# Altium PCB MS1_PCB.PcbDoc (part 1 of 2) (continued)
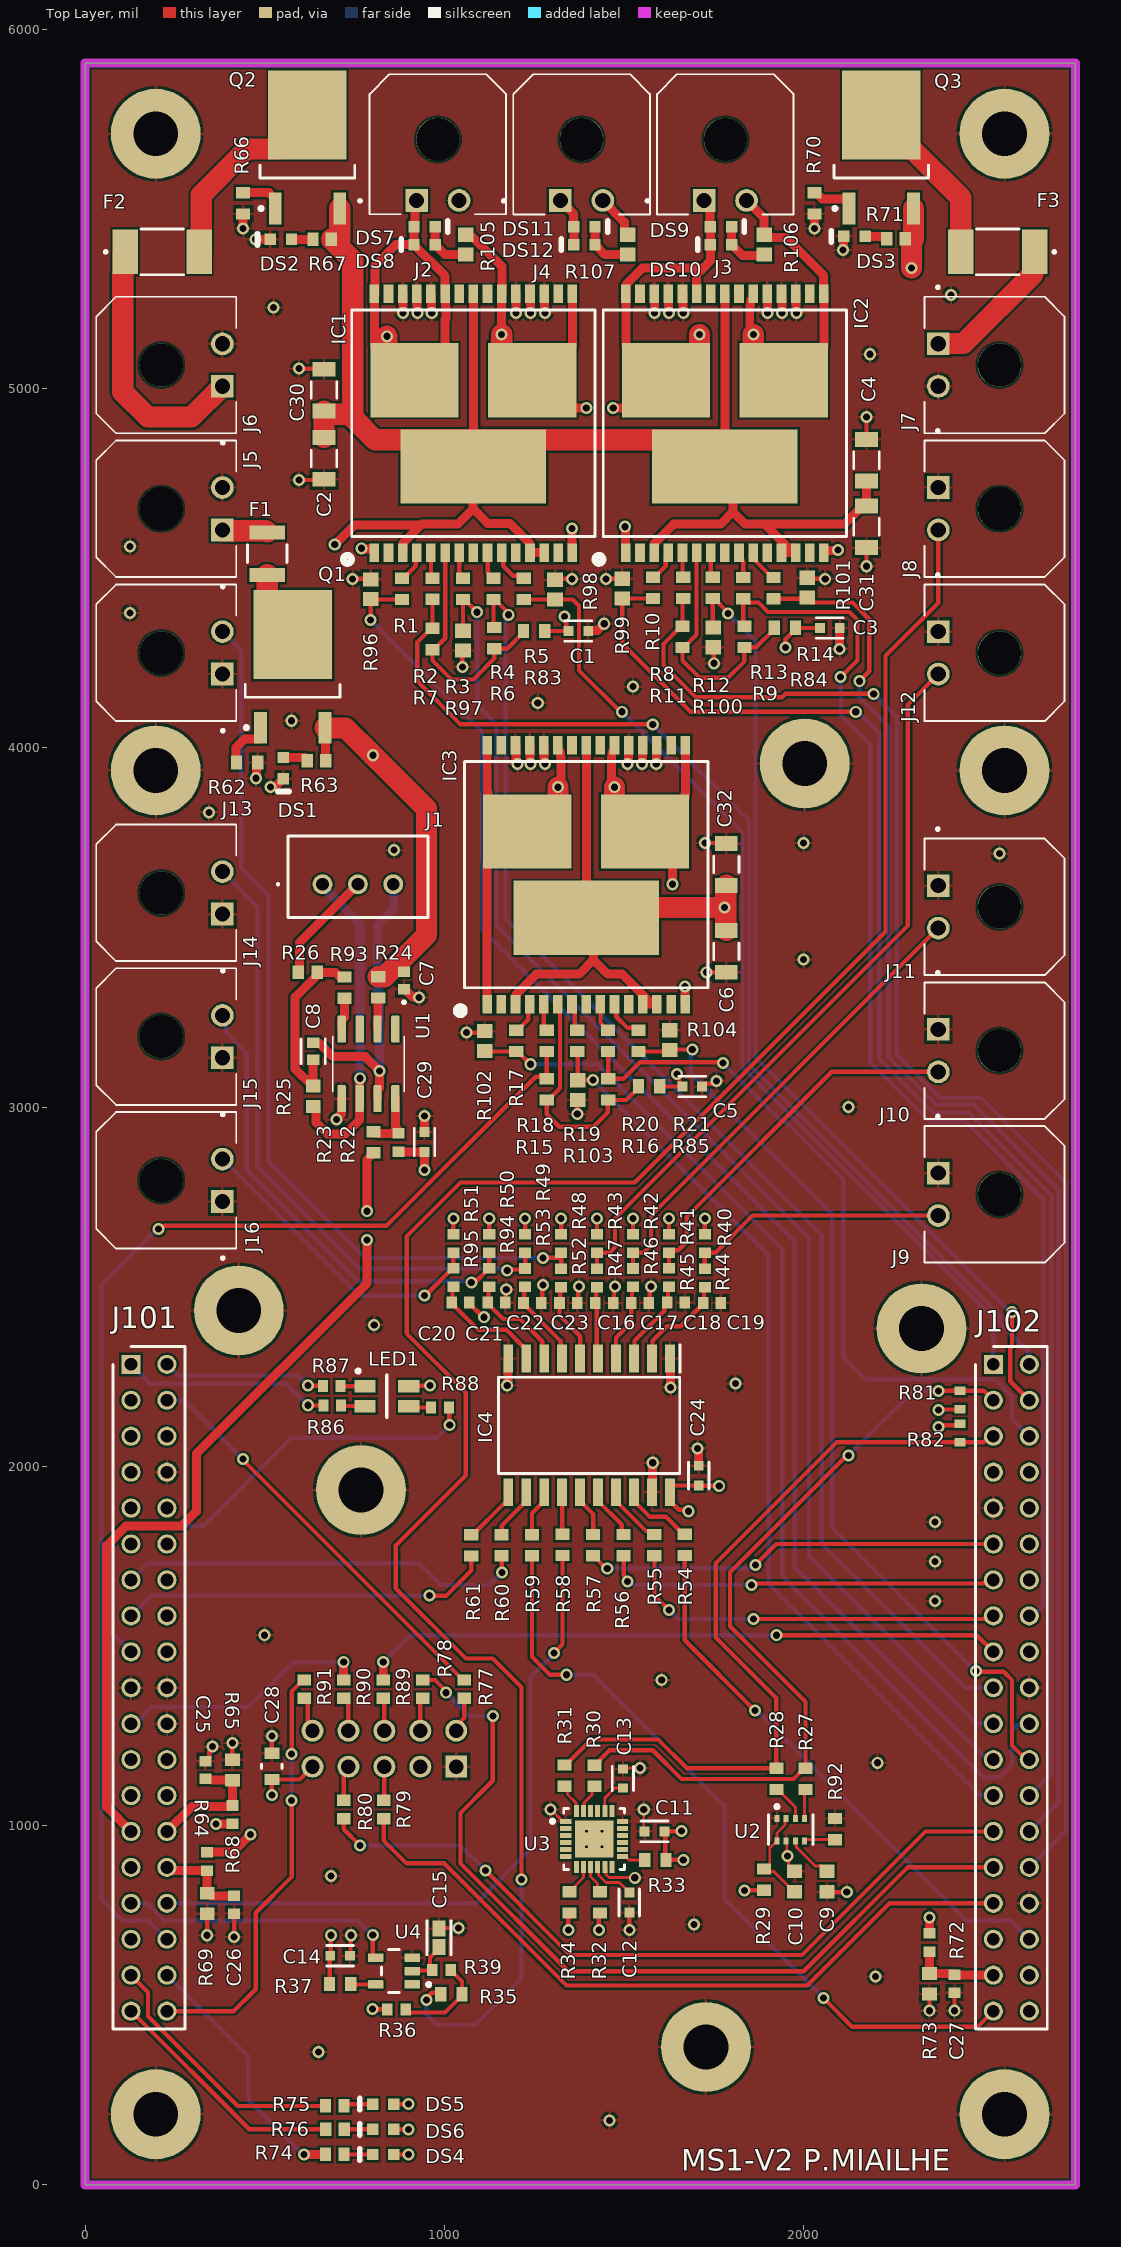
[diagram p0: Top Layer view]
## Components (designator, comment, footprint, x,y, rotation, side; value= is the part's Value field where it differs from the comment) (continued)
R21 "0R" RESC1608X55X25ML10T15 1540,3184 r90 top
R22 "ERJ3EKF1002V" RESC1609X55X30LL15T15 872,2901 r270 top
R23 "0R" RESC1608X55X25ML10T15 803,2902 r90 top
R24 "0R" RESC1608X55X25ML10T15 816,3333 r90 top
R25 "ERJ-3GEYJ155V" RESC1608X55X30ML15T15 635,3030 r270 top
R26 "ERJ-3EKF1503V" RESC1608X55X30NL15T15 620,3375 r180 top
R27 "0R" RESC1608X55X25ML10T15 2005,1130 r270 top
R28 "0R" RESC1608X55X25ML10T15 1924,1130 r270 top
R29 "0R" RESC1608X55X25ML10T15 1890,850 r270 top
R30 "0R" RESC1608X55X25ML10T15 1418,1139 r270 top
R31 "0R" RESC1608X55X25ML10T15 1334,1139.53 r270 top
R32 "0R" RESC1608X55X25ML10T15 1433,786.47 r90 top
R33 "0R" RESC1608X55X25ML10T15 1587.53,904 r180 top
R34 "0R" RESC1608X55X25ML10T15 1348,786.47 r270 top
R35 "0R" RESC1608X55X25ML10T15 1019.47,531 r0 top
R36 "ERJ3EKF1002V" RESC1609X55X30LL15T15 867,489 r180 top
R37 "0R" RESC1608X55X25ML10T15 710,559 r0 top
R39 "ERJ3EKF1002V" RESC1609X55X30LL15T15 992,598 r0 top
R40 "ERJ3EKF1002V" RESC1609X55X30LL15T15 1725,2620 r90 top
R41 "ERJ3EKF1002V" RESC1609X55X30LL15T15 1625,2620 r90 top
R42 "ERJ3EKF1002V" RESC1609X55X30LL15T15 1525,2620 r90 top
R43 "ERJ3EKF1002V" RESC1609X55X30LL15T15 1425,2620 r90 top
R44 "ERJ3EKF1002V" RESC1609X55X30LL15T15 1725,2523.82 r90 top
R45 "ERJ3EKF1002V" RESC1609X55X30LL15T15 1625,2525.59 r90 top
R46 "ERJ3EKF1002V" RESC1609X55X30LL15T15 1524.61,2525 r90 top
R47 "ERJ3EKF1002V" RESC1609X55X30LL15T15 1425,2524.41 r90 top
R48 "ERJ3EKF1002V" RESC1609X55X30LL15T15 1325,2620 r90 top
R49 "ERJ3EKF1002V" RESC1609X55X30LL15T15 1225,2620 r90 top
R50 "ERJ3EKF1002V" RESC1609X55X30LL15T15 1125,2620 r90 top
R51 "ERJ3EKF1002V" RESC1609X55X30LL15T15 1025,2620 r90 top
R52 "ERJ3EKF1002V" RESC1609X55X30LL15T15 1325,2524.41 r90 top
R53 "ERJ3EKF1002V" RESC1609X55X30LL15T15 1225,2525 r90 top
R54 "0R" RESC1608X55X25ML10T15 1669,1781.47 r270 top
R55 "0R" RESC1608X55X25ML10T15 1584,1781 r270 top
R56 "0R" RESC1608X55X25ML10T15 1499,1781 r270 top
R57 "0R" RESC1608X55X25ML10T15 1414,1781 r270 top
R58 "0R" RESC1608X55X25ML10T15 1329,1781.47 r270 top
R59 "0R" RESC1608X55X25ML10T15 1244,1780.53 r270 top
R60 "0R" RESC1608X55X25ML10T15 1159,1780.53 r270 top
R61 "0R" RESC1608X55X25ML10T15 1075,1780 r270 top
R62 "RC0603JR-070RL" RESC1608X55X25ML10T15 451,3959 r180 top
R63 "260R" RESC1609X50X30NL8T20 644,3964 r180 top
R64 "ERJ3EKF1002V" RESC1609X55X30LL15T15 410,1030.59 r270 top
R65 "ERJ-3EKF2001V" RESC1608X55X30ML15T15 410,1155 r270 top
R66 "RC0603JR-070RL" RESC1608X55X25ML10T15 440,5515 r90 top locked
R67 "260R" RESC1609X50X30NL8T20 660,5415 r180 top locked
R68 "ERJ3EKF1002V" RESC1609X55X30LL15T15 340,900.59 r90 top
R69 "ERJ-3EKF2001V" RESC1608X55X30ML15T15 340,783.54 r90 top
R70 "RC0603JR-070RL" RESC1608X55X25ML10T15 2030,5515 r90 top locked
R71 "260R" RESC1609X50X30NL8T20 2257,5416 r180 top
R72 "ERJ3EKF1002V" RESC1609X55X30LL15T15 2350,675 r90 top
R73 "ERJ-3EKF2001V" RESC1608X55X30ML15T15 2350,560 r90 top
R74 "260R" RESC1609X50X30NL8T20 695,85 r180 top
R75 "260R" RESC1609X50X30NL8T20 695,220 r180 top
R76 "260R" RESC1609X50X30NL8T20 695.59,155 r180 top
R77 "CRCW06030000Z0EA" RESC1609X50X30NL8T20 1055,1380 r270 top locked
R78 "CRCW06030000Z0EA" RESC1609X50X30NL8T20 940,1380 r270 top locked
R79 "CRCW06030000Z0EA" RESC1609X50X30NL8T20 831,1045 r270 top locked
R80 "CRCW06030000Z0EA" RESC1609X50X30NL8T20 720,1045 r270 top
R81 "RC0603FR-074K7L" RESC1608X55X25LL10T15 2435,2185 r270 top
R82 "RC0603FR-074K7L" RESC1608X55X25LL10T15 2435,2093 r90 top locked
R83 "0R" RESC1608X55X25ML10T15 1250,4325 r180 top
R84 "0R" RESC1608X55X25ML10T15 1948,4334 r180 top
R85 "0R" RESC1608X55X25ML10T15 1570,3058 r180 top locked
R86 "ERJ-3EKF1000V" RESC1608X55X30LL15T15 688,2169 r0 top
R87 "ERJ-3EKF1000V" RESC1608X55X30LL15T15 686.61,2223 r0 top
R88 "ERJ-3EKF1000V" RESC1608X55X30LL15T15 988,2164 r180 top
R89 "CRCW06030000Z0EA" RESC1609X50X30NL8T20 830,1380 r270 top locked
R90 "CRCW06030000Z0EA" RESC1609X50X30NL8T20 720,1380 r270 top locked
R91 "CRCW06030000Z0EA" RESC1609X50X30NL8T20 610,1380 r270 top locked
R92 "0R" RESC1608X55X25ML10T15 2087,990.53 r270 top
R93 "0R" RESC1608X55X25ML10T15 722,3332.53 r90 top
R94 "ERJ3EKF1002V" RESC1609X55X30LL15T15 1125,2525.59 r90 top
R95 "ERJ3EKF1002V" RESC1609X55X30LL15T15 1025,2525.59 r90 top
R96 "ERA3AEB104V" RESC1608X55X30ML20T20 795,4441 r270 top
R97 "ERA3AEB104V" RESC1608X55X30ML20T20 1052,4298 r90 top
R98 "ERA3AEB104V" RESC1608X55X30ML20T20 1308,4440 r270 top
R99 "ERA3AEB104V" RESC1608X55X30ML20T20 1495,4442.56 r270 top
R100 "ERA3AEB104V" RESC1608X55X30ML20T20 1748,4307 r90 top
R101 "ERA3AEB104V" RESC1608X55X30ML20T20 2010,4445.44 r270 top
R102 "ERA3AEB104V" RESC1608X55X30ML20T20 1112,3183.56 r270 top
R103 "ERA3AEB104V" RESC1608X55X30ML20T20 1371,3047 r90 top
R104 "ERA3AEB104V" RESC1608X55X30ML20T20 1627,3186 r270 top
R105 "ERA-3AEB751V" RESC1608X55X30ML20T20 1060,5400 r270 top locked
R106 "ERA-3AEB751V" RESC1608X55X30ML20T20 1890,5400 r270 top
R107 "ERA-3AEB751V" RESC1608X55X30ML20T20 1510,5400 r270 top
U1 "RE46C100S8F" SOIC127P600X175-8N 789,3120 r270 top locked
U2 "BMP280" FP-BMP280-MFG 1964,989 r90 top
U3 "MPU-6050" IS-QFN-24_V 1417,963 r0 top
U4 "SN74LVC1G17DBVT" FP-DBV0005A-MFG 859.82,595.4 r180 top

## Footprints (in the part's own frame and the unit in brackets; to place one, negate y for a bottom-side part, rotate by r counter-clockwise, add the part's x,y. Pads: shape width x height; smd on the part's side, far side on the other; paste and mask are expansions set on the pad)
1812L010DR [mm]
  rect 1.78x3.15 smd: 1(-2.615,0) 2(2.615,0)
  silkscreen extent -4.1,-1.62 1.5,1.62, body extent -2.27,-1.63 2.27,1.63, height 1.95
3528_A [mm] "Chip LED, 4-Leads, Body 2.8x3.5mm (max), Pitch 1.42mm, IPC Medium Density"
  rect 1.5x0.9 smd: 1(1.55,0.707) 2(1.55,-0.71) 3(-1.55,0.707) 4(-1.55,-0.707)
  silkscreen extent -2.15,-1.5 0.03,1.9, body extent -1.75,-1.4 1.75,1.4, height 1.87
AVAG-HSMX-C190_V [mm] "SMD, 2-Leads, Body 1.6x0.8mm, Height 0.9mm"
  rect 0.8x0.8 smd: 1(-0.75,0) 2(0.75,0)
  silkscreen extent 1.65,-0.4 1.65,0.4, body extent -0.8,-0.4 0.8,0.4, height 0.9
B3BXHALFSN [mm]
  round 1.4 hole 0.9: 1(0,0) 2(2.5,0) 3(5,0)
  silkscreen extent -3.2,-2.35 7.45,3.4, body extent -2.45,-2.35 7.45,3.4, height 7.09
CAPC1608X90X35LL10T15 [mm] "Chip Capacitor, 2-Leads, Body 1.60x0.80mm, IPC High Density"
  rect 0.75x0.85 smd: 1(-0.625,0) 2(0.625,0)
  body extent -0.85,-0.45 0.85,0.45, height 0.9
FP-1210L110-16WR-MFG [mm]
  rect 1x2.5 smd paste+0 mask+0: 1(-1.5,0) 2(1.5,0)
  silkscreen extent -0.63,-1.4 0.63,1.4, body extent -2.1,-1.5 2.1,1.5, height 0.25
FP-BMP280-MFG [mm]
  rect 0.5x0.35 smd paste+0 mask+0: 1(0.8,0.975) 2(0.8,0.325) 3(0.8,-0.325) 4(0.8,-0.975) 5(-0.8,-0.975) 6(-0.8,-0.325) 7(-0.8,0.325) 8(-0.8,0.975)
  silkscreen extent -1.05,-1.58 1.75,1.58, body extent -1.55,-1.8 1.55,1.8, height 0.25
FP-C0603C-CF-MFG [mm]
  rect 0.75x0.9 smd paste+0 mask+0: 1(-0.6,0) 2(0.6,0)
  silkscreen extent -0.87,-0.85 0.88,0.85, body extent -1.2,-0.6 1.2,0.6, height 0.25
FP-C1608-080-0_1-IPC_B [mil]
  rect 44.53x35.91 smd paste+0 mask+0: 1(-25.22,0) 2(25.22,0)
  silkscreen extent -47,-34 47,34, body extent -57,-28 57,28, height 10
FP-C2012-125-0_2-MFG [mm]
  rect 0.8x1.05 smd paste+0 mask+0: 1(-0.925,0) 2(0.925,0)
  silkscreen extent -0.15,-0.72 0.15,0.72, body extent -1.43,-0.82 1.43,0.82, height 0.25
FP-CGA3E-0_3-0_1-MFG [mm]
  rect 0.7x0.7 smd paste+0 mask+0: 1(-0.7,0) 2(0.7,0)
  silkscreen extent -0.95,-0.72 0.95,0.72, body extent -1.15,-0.65 1.15,0.65, height 0.25
FP-DBV0005A-MFG [mm]
  rrect17% 1.1x0.6 smd paste+0 mask+0: 1(-1.3,0.95) 2(-1.3,0) 3(-1.3,-0.95) 4(1.3,-0.95) 5(1.3,0.95)
  silkscreen extent -2.58,-1.53 0.87,1.53, body extent -1.95,-1.78 1.95,1.78, height 0.25
FP-GRM31C-0_2-e0_3_0_8-MFG [mm]
  rect 1.05x1.6 smd paste+0 mask+0: 1(-1.475,0) 2(1.475,0)
  silkscreen extent -0.58,-0.9 0.58,0.9, body extent -2.1,-1 2.1,1, height 0.25
FP-GRM188-0_1-e0_2_0_5-MFG [mm]
  rect 0.65x0.7 smd paste+0 mask+0: 1(-0.675,0) 2(0.675,0)
  silkscreen extent -0.85,-0.75 0.85,0.75, body extent -1.1,-0.55 1.1,0.55, height 0.25
INF-PG-TO252-3-313_L [mm] "DPAK, 3-Leads, Body 6.5x6.12mm, Pitch 2.28mm, IPC High Density"
  rect 2.25x0.9 smd: 1(-4.3,2.28) 3(-4.3,-2.28)
  rect 6.3x5.55 smd: 2(2.3,0)
  silkscreen extent -4.42,-3.35 -1.25,3.4, body extent -2.15,-3.32 4.07,3.32, height 2.35
IS-QFN-24_V [mm] "QFN, 24-Leads, Body 4x4mm, Pitch 0.5mm, Thermal Pad 2.7x2.6mm"
  rect 0.8x0.35 smd: 1(-2,1.25) 2(-2,0.75) 3(-2,0.25) 4(-2,-0.25) 5(-2,-0.75) 6(-2,-1.25) 13(2,-1.25) 14(2,-0.75) 15(2,-0.25) 16(2,0.25) 17(2,0.75) 18(2,1.25)
  rect 0.35x0.85 smd mask+0.102: 7(-1.25,-1.975) 8(-0.75,-1.975) 9(-0.25,-1.975) 10(0.25,-1.975) 11(0.75,-1.975) 12(1.25,-1.975) 19(1.25,1.975) 20(0.75,1.975) 21(0.25,1.975) 22(-0.25,1.975) 23(-0.75,1.975) 24(-1.25,1.975)
  rect 2.7x2.6 smd: 25(0,0)
  silkscreen extent -3.07,-2.15 2.15,2.15, body extent -2,-2 2,2, height 0.95
MOLEX_436500200 [mm]
  rect 1.605x1.605 hole 1.07: 1(1.5,3.97)
  round 1.605 hole 1.07: 2(-1.5,3.97)
  round 3.05 hole 3.05 unplated: ""(0,-0.35)
  silkscreen extent -4.82,-4.95 5.6,4.95, body extent -4.82,-5.3 4.82,4.6, height 5.08
RESC1608X55X25LL10T15 [mm] "Chip Resistor, 2-Leads, Body 1.60x0.80mm, IPC High Density"
  rect 0.6x0.8 smd: 1(-0.65,0) 2(0.65,0)
  body extent -0.85,-0.45 0.85,0.45, height 0.55
RESC1608X55X25ML10T15 [mm] "Chip Resistor, 2-Leads, Body 1.60x0.80mm, IPC Low Density"
  rect 0.8x1 smd: 1(-0.75,0) 2(0.75,0)
  body extent -0.85,-0.45 0.85,0.45, height 0.55
RESC1608X55X30LL15T15 [mm] "Chip Resistor, 2-Leads, Body 1.60x0.80mm, IPC High Density"
  rect 0.7x0.85 smd: 1(-0.625,0) 2(0.625,0)
  body extent -0.87,-0.48 0.87,0.48, height 0.55
RESC1608X55X30ML15T15 [mm] "Chip Resistor, 2-Leads, Body 1.60x0.80mm, IPC Low Density"
  rect 0.9x1.05 smd: 1(-0.725,0) 2(0.725,0)
  body extent -0.87,-0.48 0.87,0.48, height 0.55
RESC1608X55X30ML20T20 [mm] "Chip Resistor, 2-Leads, Body 1.60x0.80mm, IPC Low Density"
  rect 1x1.1 smd: 1(-0.7,0) 2(0.7,0)
  body extent -0.9,-0.5 0.9,0.5, height 0.55
RESC1608X55X30NL15T15 [mm] "Chip Resistor, 2-Leads, Body 1.60x0.80mm, IPC Medium Density"
  rect 0.8x0.95 smd: 1(-0.675,0) 2(0.675,0)
  body extent -0.87,-0.48 0.87,0.48, height 0.55
RESC1609X50X30NL8T20 [mm] "Chip Resistor, 2-Leads, Body 1.65x0.95mm, IPC Medium Density"
  rect 0.8x0.95 smd: 1(-0.65,0) 2(0.65,0)
  body extent -0.82,-0.48 0.82,0.48, height 0.5
RESC1609X55X30LL15T15 [mm] "Chip Resistor, 2-Leads, Body 1.75x0.95mm, IPC High Density"
  rect 0.75x0.85 smd: 1(-0.65,0) 2(0.65,0)
  body extent -0.87,-0.48 0.87,0.48, height 0.55
RHDR38W51P254_2X19_4826X508X737P [mm]
  rect 1.35x1.35 hole 0.9: 1(0,0)
  round 1.35 hole 0.9: 2(0,-2.54) 3(-2.54,0) 4(-2.54,-2.54) 5(-5.08,0) 6(-5.08,-2.54) 7(-7.62,0) 8(-7.62,-2.54) 9(-10.16,0) 10(-10.16,-2.54) 11(-12.7,0) 12(-12.7,-2.54) 13(-15.24,0) 14(-15.24,-2.54) 15(-17.78,0) 16(-17.78,-2.54) 17(-20.32,0) 18(-20.32,-2.54) 19(-22.86,0) 20(-22.86,-2.54) 21(-25.4,0) 22(-25.4,-2.54) 23(-27.94,0) 24(-27.94,-2.54) 25(-30.48,0) 26(-30.48,-2.54) 27(-33.02,0) 28(-33.02,-2.54) 29(-35.56,0) 30(-35.56,-2.54) 31(-38.1,0) 32(-38.1,-2.54) 33(-40.64,0) 34(-40.64,-2.54) 35(-43.18,0) 36(-43.18,-2.54) 37(-45.72,0) 38(-45.72,-2.54)
  silkscreen extent -46.99,-3.81 1.27,1.27, body extent -47.26,-4.08 1.55,1.55, height 1.27
SAMS-C0603-2_M [mm] "Chip Capacitor, 2-Leads, Body 1.70x0.90mm, IPC Low Density"
  rect 0.95x1.05 smd: 1(-0.725,0) 2(0.725,0)
  body extent -0.85,-0.45 0.85,0.45, height 0.9
SMTC-TSW-105-15-X-D [mm] ".025 SQ Post Terminal Strip Assembly, 2x5 Pins, Vertical, 2.54mm Pitch, Male"
  rect 1.55x1.55 hole 1.02: 1(0,0)
  round 1.55 hole 1.02: 2(0,2.54) 3(2.54,0) 4(2.54,2.54) 5(5.08,0) 6(5.08,2.54) 7(7.62,0) 8(7.62,2.54) 9(10.16,0) 10(10.16,2.54)
  silkscreen extent -1.46,-1.27 11.62,3.81, body extent -1.71,-1.52 11.87,4.06, height 15.95
SOIC127P600X175-8N [mm]
  rrect25% 1.9x0.6 smd: 1(-2.455,1.905) 2(-2.455,0.635) 3(-2.455,-0.635) 4(-2.455,-1.905) 5(2.455,-1.905) 6(2.455,-0.635) 7(2.455,0.635) 8(2.455,1.905)
  silkscreen extent -4.45,-2.52 1.95,2.6, body extent -3,-2.45 3,2.45, height 1.75
SOIC127P1032X265-20N [mm]
  rect 1.95x0.7 smd: 1(-4.725,5.715) 2(-4.725,4.445) 3(-4.725,3.175) 4(-4.725,1.905) 5(-4.725,0.635) 6(-4.725,-0.635) 7(-4.725,-1.905) 8(-4.725,-3.175) 9(-4.725,-4.445) 10(-4.725,-5.715) 11(4.725,-5.715) 12(4.725,-4.445) 13(4.725,-3.175) 14(4.725,-1.905) 15(4.725,-0.635) 16(4.725,0.635) 17(4.725,1.905) 18(4.725,3.175) 19(4.725,4.445) 20(4.725,5.715)
  silkscreen extent -5.7,-6.4 3.4,6.42, body extent -5.16,-6.4 5.16,6.4, height 2.65
VNH5019A-E_1 [mm]
  rect 0.68x1.3 smd: 1(-13,-15.15) 2(-12,-15.15) 3(-11,-15.15) 4(-10,-15.15) 5(-9,-15.15) 6(-8,-15.15) 7(-7,-15.15) 8(-6,-15.15) 9(-5,-15.15) 10(-4,-15.15) 11(-3,-15.15) 12(-2,-15.15) 13(-1,-15.15) 14(0,-15.15) 15(1,-15.15) 16(1,3.15) 17(0,3.15) 18(-1,3.15) 19(-2,3.15) 20(-3,3.15) 21(-4,3.15) 22(-5,3.15) 23(-6,3.15) 24(-7,3.15) 25(-8,3.15) 26(-9,3.15) 27(-10,3.15) 28(-11,3.15) 29(-12,3.15) 30(-13,3.15)
  rect 6.23x5.25 smd: 31(-10.165,-2.95) 32(-1.835,-2.95)
  rect 10.3x5.25 smd: 33(-6,-9.05)
  silkscreen extent -15.17,-15.89 2.6,2, body extent -14.61,-15.75 2.59,3.4, height 1.95

## Part data
C1 C3 C5 C11 C12 C14 C24 C29: library part CMP-08246-002186-1, "Cap Ceramic 100nF 25V X7R 10% Pad SMD 0603 +125°C Automotive T/R", Capacitance=100nF, Case Code (Imperial)=0603, Case Code (Metric)=1608, Dielectric=X7R, Manufacturer=TDK, Max Operating Temperature=125°C, Min Operating Temperature=-55°C, Package Quantity=1, Ratings=AEC-Q200, Resistor Type=Ceramic, Supplier Part Number 1=810-CGA3E2X7R1E104K, Tolerance=10%, Voltage Rating=25V, Case/Package=0603, Category="Ceramic Capacitors", ComponentLink1Description=https://datasheet.ciiva.com/24220/cga3e2x7r1e104k080aa-265934-24220022.pdf?src-supplier=Mouser, ComponentLink1URL=https://datasheet.ciiva.com/24220/cga3e2x7r1e104k080aa-265934-24220022.pdf?src-supplier=Mouser, ComponentLink2Description=https://datasheet.ciiva.com/22725/1735392-22725638.pdf?src-supplier=Element14, ComponentLink2URL=https://datasheet.ciiva.com/22725/1735392-22725638.pdf?src-supplier=Element14, ComponentLink3Description=https://datasheet.ciiva.com/22725/1735392-22725639.pdf?src-supplier=Element14, ComponentLink3URL=https://datasheet.ciiva.com/22725/1735392-22725639.pdf?src-supplier=Element14, ComponentLink4Description=https://datasheet.ciiva.com/16427/mlccspec-automotive-general-midvoltage-en-16427320.pdf?src-supplier=Future+Electronics, ComponentLink4URL=https://datasheet.ciiva.com/16427/mlccspec-automotive-general-midvoltage-en-16427320.pdf?src-supplier=Future+Electronics, ComponentLink5Description=https://datasheet.ciiva.com/23803/1735392-23803082.pdf?src-supplier=Newark, ComponentLink5URL=https://datasheet.ciiva.com/23803/1735392-23803082.pdf?src-supplier=Newark, Composition=Ceramic, Depth=0.8mm, Height=0.8mm, Lead Free="Lead Free", Length=1.6mm, Manufacturer Part Number=CGA3E2X7R1E104K080AA, Mount="Surface Mount", Packaging="Tape and Reel", Pricing 1="1=0,12000, 10=0,05600, 50=0,05600, 100=0,02500, 1000=0,01400, 10000=0,01000 (USD)", REACH SVHC="No SVHC", RoHS=Yes, RoHS Compliant=Yes, Series=CGA, Stock 1=488891, Supplier 1=Mouser, Termination=SMD/SMT, Thickness=0.035inch, Voltage Rating (DC)=25V, Weight=7.1E-05oz, Width=0.031inch
C2 C4 C6 C30 C31 C32: library part CMP-06035-003589-1, "Chip Multilayer Ceramic Capacitors for General Purpose, 1206, 10uF, X7R, 15%, 10%, 25V", Capacitance=10uF, Case Code (Imperial)=1206, Case Code (Metric)=3216, Dielectric=X7R, Manufacturer=Murata, Max Operating Temperature=125°C, Min Operating Temperature=-55°C, Package Quantity=1, Tolerance=10%, Voltage=25V, Case/Package=1206, Category="Ceramic Capacitors", ComponentLink1Description=https://datasheet.ciiva.com/22746/415311-22746465.pdf?src-supplier=Element14, ComponentLink1URL=https://datasheet.ciiva.com/22746/415311-22746465.pdf?src-supplier=Element14, ComponentLink2Description=https://datasheet.ciiva.com/22703/1747484-22703378.pdf?src-supplier=Element14, ComponentLink2URL=https://datasheet.ciiva.com/22703/1747484-22703378.pdf?src-supplier=Element14, ComponentLink3Description=https://datasheet.ciiva.com/11789/0900766b80ef921d-11789064.pdf?src-supplier=RSComponents, ComponentLink3URL=https://datasheet.ciiva.com/11789/0900766b80ef921d-11789064.pdf?src-supplier=RSComponents, ComponentLink4Description=https://datasheet.ciiva.com/5418/product-5418961.pdf?src-supplier=Mouser, ComponentLink4URL=https://datasheet.ciiva.com/5418/product-5418961.pdf?src-supplier=Mouser, ComponentLink5Description=https://datasheet.ciiva.com/3777/4378grm31cr71e106ka1223-3777275.pdf?src-supplier=Arrow+Electronics, ComponentLink5URL=https://datasheet.ciiva.com/3777/4378grm31cr71e106ka1223-3777275.pdf?src-supplier=Arrow+Electronics, ComponentLink6Description=https://datasheet.ciiva.com/29202/451104-da-01-de-vs-chip-kond-1206-10-0-uf-10pr-25-0v-x7r-29202596.pdf?src-supplier=Conrad, ComponentLink6URL=https://datasheet.ciiva.com/29202/451104-da-01-de-vs-chip-kond-1206-10-0-uf-10pr-25-0v-x7r-29202596.pdf?src-supplier=Conrad, ComponentLink7Description=https://datasheet.ciiva.com/29199/454935-da-01-en-vs-kondensator-1206-29199424.pdf?src-supplier=Conrad, ComponentLink7URL=https://datasheet.ciiva.com/29199/454935-da-01-en-vs-kondensator-1206-29199424.pdf?src-supplier=Conrad, ComponentLink8Description=https://datasheet.ciiva.com/14116/grmseries-highdielectrictype-eng-14116377.pdf?src-supplier=Distrelec, ComponentLink8URL=https://datasheet.ciiva.com/14116/grmseries-highdielectrictype-eng-14116377.pdf?src-supplier=Distrelec, ComponentLink9Description=https://datasheet.ciiva.com/22774/415311-22774043.pdf?src-supplier=Farnell, ComponentLink9URL=https://datasheet.ciiva.com/22774/415311-22774043.pdf?src-supplier=Farnell, ComponentLink10Description=https://datasheet.ciiva.com/22774/415311-22774044.pdf?src-supplier=Farnell, ComponentLink10URL=https://datasheet.ciiva.com/22774/415311-22774044.pdf?src-supplier=Farnell, ComponentLink11Description=https://datasheet.ciiva.com/6264/partnumbering-e-01-6264460.pdf?src-supplier=Digi-Key, ComponentLink11URL=https://datasheet.ciiva.com/6264/partnumbering-e-01-6264460.pdf?src-supplier=Digi-Key, ComponentLink12Description=https://datasheet.ciiva.com/6264/partnumbering-e-01-6264458.pdf?src-supplier=Digi-Key, ComponentLink12URL=https://datasheet.ciiva.com/6264/partnumbering-e-01-6264458.pdf?src-supplier=Digi-Key, ComponentLink13Description=https://datasheet.ciiva.com/6264/partnumbering-e-01-6264462.pdf?src-supplier=Digi-Key, ComponentLink13URL=https://datasheet.ciiva.com/6264/partnumbering-e-01-6264462.pdf?src-supplier=Digi-Key, ComponentLink14Description=https://datasheet.ciiva.com/16210/partnumbering-e-01-16210776.pdf?src-supplier=Future+Electronics, ComponentLink14URL=https://datasheet.ciiva.com/16210/partnumbering-e-01-16210776.pdf?src-supplier=Future+Electronics, Construction=Flat, Depth=1.6mm, Height=1.6mm, Lead Free="Lead Free", Length=3.2mm, Manufacturer Part Number=GRM31CR71E106KA12L, Material=Ceramic, Mount="Surface Mount", Number of Pins=2, Packaging="Tape and Reel", Pricing 1="2000=0.15670 (USD)", Radiation Hardening=No, REACH SVHC="No SVHC", RoHS=Yes, RoHS Compliant=Yes, Series=GRM, Stock 1=64000, Supplier 1="Arrow Electronics", Supplier Part Number 1=GRM31CR71E106KA12L, Termination=SMD/SMT, Thickness=0.071inch, Voltage Rating=25V, Voltage Rating (DC)=25V, Width=1.6mm
C7 C16 C17 C18 C19 C20 C21 C22 C23 C25 C26 C27: library part CMP-2006-02459-1, Capacitance=1uF, Case Code (Imperial)=0603, Case Code (Metric)=1608, Dielectric=X5R, Manufacturer=Murata, Max Operating Temperature=85°C, Min Operating Temperature=-55°C, Package Quantity=4000, Supplier Part Number 1=1828802, Tolerance=10%, Voltage=25V, Case/Package=0603, Category="Ceramic Capacitors", Depth=0.8mm, Height=0.8mm, Lead Free="Lead Free", Length=1.6mm, Manufacturer Part Number=GRM188R61E105KA12D, Material=Ceramic, Mount="Surface Mount", Number of Pins=2, Packaging="Tape and Reel", Part Number=GRM188R61E105KA12D, Pricing 1="10=0.13400, 100=0.05920, 500=0.03800, 1000=0.03090 (GBP)", Radiation Hardening=No, REACH SVHC="No SVHC", RoHS=Yes, RoHS Compliant=Yes, Supplier 1=Farnell, Termination=SMD/SMT, Thickness=0.035inch, Voltage Rating=25V, Voltage Rating (DC)=25V, Width=0.031inch
C8: library part CMP-2006-03010-2, "CAP CER 1000PF 25V 5% NP0 0603", Capacitance=1nF, Case Code (Imperial)=0603, Case Code (Metric)=1608, Dielectric=C0G, Dielectric Material=Ceramic, Manufacturer=KEMET, Max Operating Temperature=125°C, Min Operating Temperature=-55°C, Package=C0603C-CF, Package Quantity=1, Supplier Part Number 1=80-C0603C102J3G, Temperature="-55°C to +125°C", Temperature Coefficient=30ppm/°C, Temperature Range High=+125°C, Tolerance=0.05, Voltage=25V, Voltage Rating="25 V", Automotive=Yes, Automotive Grade="Grade 1", Case/Package=0603, Category=Cap, ComponentLink1Description=https://datasheet.ciiva.com/18192/getdatasheetpartid-127803-18192629.pdf?src-supplier=Verical, ComponentLink1URL=https://datasheet.ciiva.com/18192/getdatasheetpartid-127803-18192629.pdf?src-supplier=Verical, ComponentLink2Description=Datasheet, ComponentLink2URL=https://api.kemet.com/component-edge/download/datasheet/C0603C100J5GACAUTO.pdf, ComponentLink3Description=https://datasheet.ciiva.com/7823/f9080b-0402-series-c0g-7823966.pdf?src-supplier=Element14, ComponentLink3URL=https://datasheet.ciiva.com/7823/f9080b-0402-series-c0g-7823966.pdf?src-supplier=Element14, ComponentLink4Description=https://datasheet.ciiva.com/7823/f9080b-0402-series-c0g-7823967.pdf?src-supplier=Element14, ComponentLink4URL=https://datasheet.ciiva.com/7823/f9080b-0402-series-c0g-7823967.pdf?src-supplier=Element14, Construction=Flat, Contact Plating=Tin,Matte, Depth=0.8mm, Device Class L1="Passive Components", Device Class L2=Capacitors, Device Class L3="Ceramic Capacitors", Digikey Description="CAP CER 1000PF 25V 5% NP0 0603", Height=0.87mm, Lead Free=Yes, Lead Pitch=0.7mm, Length=1.6mm, Manufacturer Part Number=C0603C102J3GACTU, Material=Ceramic, Mount="Surface Mount", Mouser Description="Multilayer Ceramic Capacitors MLCC - SMD/SMT 25volts 1000pF C0G 5%", Number of Pins=2, Octopart=https://octopart.com/c0603c102j3gactu-kemet-8375722, Packaging="Tape and Reel", Pricing 1="1=0,10000, 10=0,02700, 50=0,02700, 100=0,02200, 500=0,01600, 1000=0,01200, 4000=0,01000, 8000=0,00900, 10000=0,00900 (USD)", Radiation Hardening=No, REACH SVHC="No SVHC", RoHS=TRUE, RoHS Compliant=Yes, Series=C, Stock 1=70048, Supplier 1=Mouser, Temperature Characteristic=C0G, Temperature Range Low=-55°C, Termination=SMD/SMT, Thickness=0.034inch, Voltage Rating (DC)=25V, Width=0.031inch
C9 C10: library part CMP-2000-05332-1, "Multi-layer Ceramic Capacitor, -55 to 125 degC, 2-Pin SMD (0603), RoHS, Tape and Reel", Capacitance=0.1µF, Case Size/Dimension=0603, Dielectric=X7R, Manufacturer="Samsung Electro-Mechanics", Rated Voltage=50V, Tolerance (%)=±10%, Datasheet URL=https://datasheet.ciiva.com/29198/456651-da-01-en-vs-kondensator-0605-29198839.pdf, Datasheet Version=Nov-10, Manufacturer URL=http://www.samsungsem.com/global/index.jsp
C13: library part CMP-06035-056041-1, "Chip Multilayer Ceramic Capacitors for General Purpose, 0603, 2200pF, C0G, 30ppm/°C, 5%, 50V", Capacitance=2.2nF, Case Code (Imperial)=0603, Case Code (Metric)=1608, Dielectric=C0G, Dielectric Material=Ceramic, Insulation Resistance=10GR, Manufacturer=Murata, Max Operating Temperature=125°C, Min Operating Temperature=-55°C, Package Quantity=1, Supplier Part Number 1=81-GRM1885C1H222JA01, Temperature Coefficient=30ppm/°C, Tolerance=5%, Voltage=50V, Case/Package=0603, Category="Ceramic Capacitors", ComponentLink1Description=https://datasheet.ciiva.com/3777/1632grm1885c1h222ja0123-3777835.pdf?src-supplier=Arrow+Electronics, ComponentLink1URL=https://datasheet.ciiva.com/3777/1632grm1885c1h222ja0123-3777835.pdf?src-supplier=Arrow+Electronics, ComponentLink2Description=https://datasheet.ciiva.com/11786/0900766b807a1cab-11786840.pdf?src-supplier=RSComponents, ComponentLink2URL=https://datasheet.ciiva.com/11786/0900766b807a1cab-11786840.pdf?src-supplier=RSComponents, ComponentLink3Description=https://datasheet.ciiva.com/133/partnumbering-e-01-133576.pdf?src-supplier=Digi-Key, ComponentLink3URL=https://datasheet.ciiva.com/133/partnumbering-e-01-133576.pdf?src-supplier=Digi-Key, ComponentLink4Description=https://datasheet.ciiva.com/133/partnumbering-e-01-133577.pdf?src-supplier=Digi-Key, ComponentLink4URL=https://datasheet.ciiva.com/133/partnumbering-e-01-133577.pdf?src-supplier=Digi-Key, ComponentLink5Description=https://datasheet.ciiva.com/133/partnumbering-e-01-133578.pdf?src-supplier=Digi-Key, ComponentLink5URL=https://datasheet.ciiva.com/133/partnumbering-e-01-133578.pdf?src-supplier=Digi-Key, ComponentLink6Description=https://datasheet.ciiva.com/6031/4360-6031797.pdf?src-supplier=Farnell, ComponentLink6URL=https://datasheet.ciiva.com/6031/4360-6031797.pdf?src-supplier=Farnell, ComponentLink7Description=https://datasheet.ciiva.com/11463/product-11463974.pdf?src-supplier=Avnet, ComponentLink7URL=https://datasheet.ciiva.com/11463/product-11463974.pdf?src-supplier=Avnet, ComponentLink8Description=https://datasheet.ciiva.com/2989/product-2989459.pdf?src-supplier=Avnet, ComponentLink8URL=https://datasheet.ciiva.com/2989/product-2989459.pdf?src-supplier=Avnet, ComponentLink9Description=https://datasheet.ciiva.com/16624/product-16624150.pdf?src-supplier=Avnet+Europe, ComponentLink9URL=https://datasheet.ciiva.com/16624/product-16624150.pdf?src-supplier=Avnet+Europe, ComponentLink10Description=https://datasheet.ciiva.com/7828/4360-7828918.pdf?src-supplier=Element14, ComponentLink10URL=https://datasheet.ciiva.com/7828/4360-7828918.pdf?src-supplier=Element14, ComponentLink11Description=https://datasheet.ciiva.com/7828/1747455-7828919.pdf?src-supplier=Element14, ComponentLink11URL=https://datasheet.ciiva.com/7828/1747455-7828919.pdf?src-supplier=Element14, ComponentLink12Description=https://datasheet.ciiva.com/7828/1747455-7828920.pdf?src-supplier=Element14, ComponentLink12URL=https://datasheet.ciiva.com/7828/1747455-7828920.pdf?src-supplier=Element14, ComponentLink13Description=https://datasheet.ciiva.com/29241/450664-da-01-en-vs-kondensator-0603-29241770.pdf?src-supplier=Conrad, ComponentLink13URL=https://datasheet.ciiva.com/29241/450664-da-01-en-vs-kondensator-0603-29241770.pdf?src-supplier=Conrad, Construction=Flat, Depth=0.8mm, Height=0.8mm, Lead Free="Lead Free", Length=1.6mm, Manufacturer Part Number=GRM1885C1H222JA01D, Material=Ceramic, Mount="Surface Mount", Number of Pins=2, Packaging="Tape and Reel", Pricing 1="1=0,19000, 10=0,08800, 50=0,08800, 100=0,03900, 500=0,02800, 1000=0,02200, 2000=0,02000, 4000=0,01800, 8000=0,01500, 10000=0,01500 (USD)", Radiation Hardening=No, REACH SVHC="No SVHC", RoHS=Yes, RoHS Compliant=Yes, Series=GRM, Stock 1=373748, Supplier 1=Mouser, Termination=SMD/SMT, Thickness=0.035inch, Voltage Rating=50V, Voltage Rating (DC)=50V, Width=0.8mm